# KiCad board mainboard.stretch_bkup.kicad_pcb (continued)
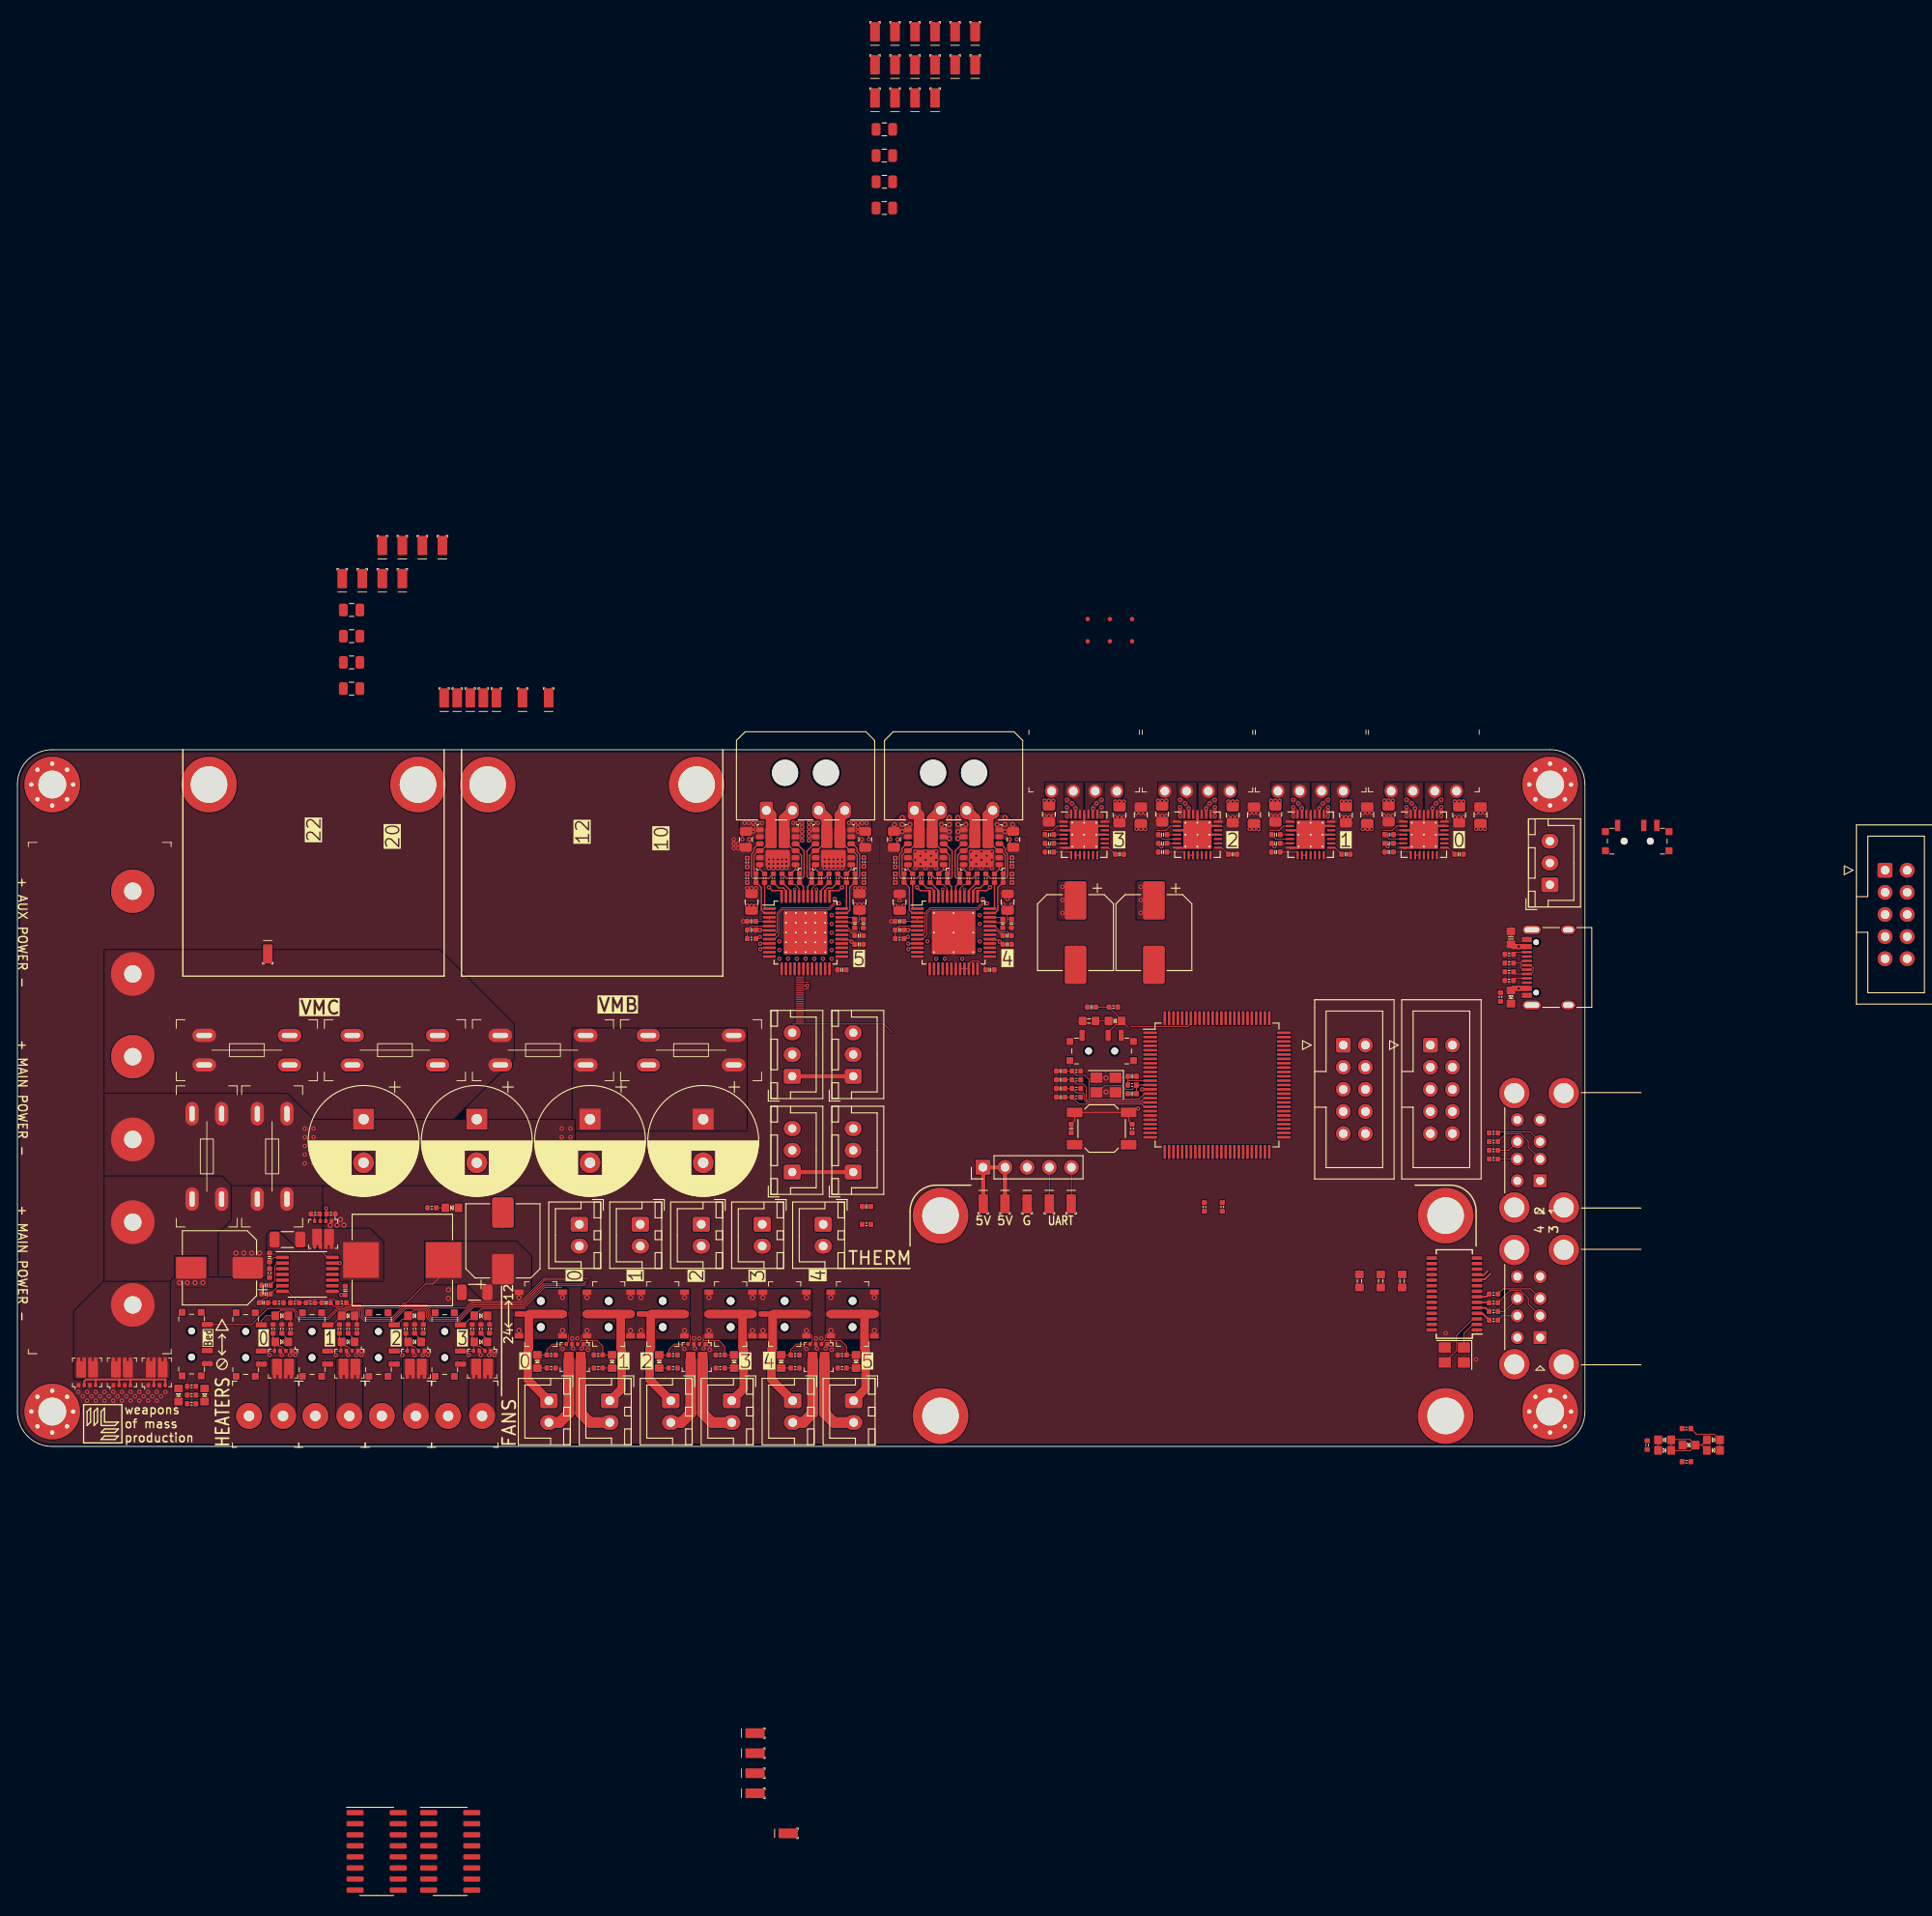
[diagram p0: board, top side]
## Routing (per net, layer and track width the routed paths; a pad name or vN(x,y) marks a point on that pad's centre or on a via; arc(x,y) is an arc through that point) (continued)
/HE3_Gate: length 13.4
  Top w0.1: SW1.1 51.25,13.95 51.9,14.6 52.07,14.6 D11.2 53.32,15.85 58.15,15.85 60.55,18.25 62.5,18.25
/M0_~{EN}: length 2.6
  Top w0.1: 156.75,70.75 157.89,70.75 158.39,71.25 U2.2
/M1_~{EN}: length 2.6
  Top w0.1: U3.2 145.39,71.25 144.89,70.75 143.75,70.75
/M2_~{EN}: length 2.6
  Top w0.1: U4.2 132.39,71.25 131.89,70.75 130.75,70.75
/M3_~{EN}: length 2.6
  Top w0.1: 117.75,70.75 118.89,70.75 119.39,71.25 U5.2
/Motor 0 (TMC2208)/BRA:
  vias: v1(162.5,73.25) v1(162.9,73.86) v1(163.5,74.25) v1(165.05,74.05) v1(165.55,74.05) v1(166.05,74.05)
/Motor 0 (TMC2208)/BRB:
  vias: v1(156.95,74.15) v1(157.45,74.15) v1(157.95,74.15) v1(159.5,74.25) v1(160.1,73.86) v1(160.5,73.25)
/Motor 1 (TMC2208)/BRA:
  vias: v1(149.5,73.25) v1(149.9,73.85) v1(150.5,74.25) v1(152.05,74.05) v1(152.55,74.05) v1(153.05,74.05)
/Motor 1 (TMC2208)/BRB:
  vias: v1(143.95,74.14) v1(144.45,74.14) v1(144.95,74.14) v1(146.5,74.25) v1(147.1,73.85) v1(147.5,73.25)
/Motor 2 (TMC2208)/BRA:
  vias: v1(136.5,73.25) v1(136.9,73.85) v1(137.5,74.25) v1(139.05,74.05) v1(139.55,74.05) v1(140.05,74.05)
/Motor 2 (TMC2208)/BRB:
  vias: v1(130.95,74.14) v1(131.45,74.14) v1(131.95,74.14) v1(133.5,74.25) v1(134.1,73.85) v1(134.5,73.25)
/Motor 3 (TMC2208)/BRA:
  vias: v1(123.5,73.25) v1(123.9,73.85) v1(124.5,74.25) v1(126.05,74.05) v1(126.55,74.05) v1(127.05,74.05)
/Motor 3 (TMC2208)/BRB:
  vias: v1(117.95,74.14) v1(118.45,74.14) v1(118.95,74.14) v1(120.5,74.25) v1(121.1,73.85) v1(121.5,73.25)
/Motor 4 (TMCx160)/CA1: length 1.8
  Top w0.15: C40.1 107.75,64.3 U6.42
/Motor 4 (TMCx160)/CA2: length 4.5
  Top w0.15: U6.35 112.25,61.25 112.57,61.57 112.57,64.17 113.15,64.75 C42.2
/Motor 4 (TMCx160)/CB1: length 4.5
  Top w0.15: U6.2 102.75,61.25 102.43,61.57 102.43,64.15 101.82,64.75 C41.1
/Motor 4 (TMCx160)/CB2: length 1.8
  Top w0.15: U6.43 107.25,64.3 C43.2
/Motor 4 (TMCx160)/HA1: length 1.8
  Top w0.1: U6.41 108.25,64.07 108.7,64.53 108.97,64.53
/Motor 4 (TMCx160)/HA2: length 3
  Top w0.15: R20.1 112.2,61.75
/Motor 4 (TMCx160)/HB1: length 3
  Top w0.15: R32.1 102.8,61.75
/Motor 4 (TMCx160)/HB2: length 2.1
  Top w0.1: R27.1 106.03,64.53 106.3,64.53 106.75,64.07 U6.44
/Motor 4 (TMCx160)/LA1: length 2
  Top w0.15: U6.39 109.25,63.82 110.18,64.75 R26.1
/Motor 4 (TMCx160)/LA2: length 2.5
  Top w0.15: R21.1 110.57,64.12 110.05,64.12 109.75,63.82 U6.38
/Motor 4 (TMCx160)/LB1: length 2.5
  Top w0.15: R33.1 104.43,64.12 104.95,64.12 105.25,63.82 U6.47
/Motor 4 (TMCx160)/LB2: length 2
  Top w0.15: R28.1 104.82,64.75 105.75,63.82 U6.46
/Motor 4 (TMCx160)/Motor_A1: length 12
  Top w0.1: U6.40 v3(108.75,63.97)
  Top w0.15: QA1.P3 109.95,69.55 108.8,68.4 QA1.10 108.5,68.4 107.97,67.88 107.97,66.33 v1(108.15,66.15) 108.15,65.8 C40.2
  Top w1.25: M5.3 109.95,72.08 QA1.P3
  In1.Cu w0.15: v3(108.75,63.97) 108.15,64.57 v1(108.15,66.15)
/Motor 4 (TMCx160)/Motor_A2: length 13.5
  Top w0.15: U6.37 110.25,63.83 111.32,63.83 v1(111.7,64.2) ; C42.1 113.2,66.1 v1(113.25,66.15) 113.43,66.33 113.43,67.88 112.9,68.4 QA1.3 112.6,68.4 111.45,69.55 QA1.P2
  Top w1.25: QA1.P2 111.45,72.48 M5.4
  In1.Cu w0.15: v1(113.25,66.15) 113.25,65.75 v1(111.7,64.2)
/Motor 4 (TMCx160)/Motor_B1: length 13.5
  Top w0.15: C41.2 101.8,66.1 v1(101.75,66.15) 101.57,66.33 101.57,67.88 102.1,68.4 QB1.10 102.4,68.4 103.55,69.55 QB1.P3 ; U6.48 104.75,63.83 103.68,63.83 v1(103.3,64.2)
  Top w1.25: M5.1 103.55,72.48 QB1.P3
  In1.Cu w0.15: v1(101.75,66.15) 101.75,65.75 v1(103.3,64.2)
/Motor 4 (TMCx160)/Motor_B2: length 12
  Top w0.1: v3(106.25,63.97) U6.45
  Top w0.15: QB1.P2 105.05,69.55 106.2,68.4 QB1.3 106.5,68.4 107.03,67.88 107.03,66.33 v1(106.85,66.16) 106.85,65.8 C43.1
  Top w1.25: M5.2 105.05,72.08 QB1.P2
  In1.Cu w0.15: v1(106.85,66.16) 106.85,64.57 v3(106.25,63.97)
/Motor 4 (TMCx160)/SRAH: length 15.3
  Top w0.1: v1(111.35,62.35) 110.98,62.35 110.28,61.65 104.9,61.65 104.43,61.17 104.43,58.75 103.93,58.25 U6.8
  In1.Cu w0.1: v1(111.35,62.35) 111.35,62.85 113.25,64.75 v1(114.2,64.75)
/Motor 4 (TMCx160)/SRAL: length 16
  Top w0.1: U6.7 103.92,58.75 104.22,59.05 104.22,61.26 104.82,61.85 110.2,61.85 110.85,62.5 v1(110.85,62.85)
  In1.Cu w0.1: v1(114.2,66.6) 113.75,66.15 113.75,65.55 111.05,62.85 v1(110.85,62.85)
/Motor 4 (TMCx160)/SRBH: length 9.7
  Top w0.1: v1(102.3,57.72) 102.33,57.75 U6.9 103.44,57.85
  In1.Cu w0.1: v1(100.8,64.75) 101.75,64.75 102.68,63.83 102.68,58.1 v1(102.3,57.72)
/Motor 4 (TMCx160)/SRBL: length 11.8
  Top w0.1: v1(102.3,57.1) 102.45,57.25 U6.10 103.44,57.15
  In1.Cu w0.1: v1(102.3,57.1) 102.88,57.67 102.88,64.03 101.22,65.67 101.22,66.12 v1(100.8,66.55)
/Motor 5 (TMCx160)/CA1: length 1.8
  Top w0.15: C52.1 90.75,64.3 U7.42
/Motor 5 (TMCx160)/CA2: length 4.5
  Top w0.15: C54.2 96.15,64.75 95.57,64.17 95.57,61.57 95.25,61.25 U7.35
/Motor 5 (TMCx160)/CB1: length 4.5
  Top w0.15: U7.2 85.75,61.25 85.43,61.57 85.43,64.15 84.82,64.75 C53.1
/Motor 5 (TMCx160)/CB2: length 1.8
  Top w0.15: U7.43 90.25,64.3 C55.2
/Motor 5 (TMCx160)/HA1: length 1.8
  Top w0.1: 91.97,64.53 91.7,64.53 91.25,64.07 U7.41
/Motor 5 (TMCx160)/HA2: length 3
  Top w0.15: R35.1 95.2,61.75
/Motor 5 (TMCx160)/HB1: length 3
  Top w0.15: R47.1 85.8,61.75
/Motor 5 (TMCx160)/HB2: length 2.1
  Top w0.1: U7.44 89.75,64.07 89.3,64.53 89.03,64.53 R42.1
/Motor 5 (TMCx160)/LA1: length 2
  Top w0.15: U7.39 92.25,63.82 93.18,64.75 R41.1
/Motor 5 (TMCx160)/LA2: length 2.5
  Top w0.15: R36.1 93.57,64.12 93.05,64.12 92.75,63.82 U7.38
/Motor 5 (TMCx160)/LB1: length 2.5
  Top w0.15: R48.1 87.43,64.12 87.95,64.12 88.25,63.82 U7.47
/Motor 5 (TMCx160)/LB2: length 2
  Top w0.15: R43.1 87.82,64.75 88.75,63.82 U7.46
/Motor 5 (TMCx160)/Motor_A1: length 12
  Top w0.1: U7.40 v3(91.75,63.97)
  Top w0.15: C52.2 91.15,65.8 v1(91.15,66.15) 90.97,66.33 90.97,67.88 91.5,68.4 QA2.10 91.8,68.4 92.95,69.55 QA2.P3
  Top w1.25: QA2.P3 92.95,72.08 M6.3
  In1.Cu w0.15: v1(91.15,66.15) 91.15,64.57 v3(91.75,63.97)
/Motor 5 (TMCx160)/Motor_A2: length 13.5
  Top w0.15: U7.37 93.25,63.83 94.32,63.83 v1(94.7,64.2) ; C54.1 96.2,66.1 v1(96.25,66.15) 96.43,66.33 96.43,67.88 95.9,68.4 QA2.3 95.6,68.4 94.45,69.55 QA2.P2
  Top w1.25: QA2.P2 94.45,72.48 M6.4
  In1.Cu w0.15: v1(96.25,66.15) 96.25,65.75 v1(94.7,64.2)
/Motor 5 (TMCx160)/Motor_B1: length 13.5
  Top w0.15: U7.48 87.75,63.83 86.68,63.83 v1(86.3,64.2) ; C53.2 84.8,66.1 v1(84.75,66.15) 84.57,66.33 84.57,67.88 85.1,68.4 QB2.10 85.4,68.4 86.55,69.55 QB2.P3
  Top w1.25: QB2.P3 86.55,72.48 M6.1
  In1.Cu w0.15: v1(84.75,66.15) 84.75,65.75 v1(86.3,64.2)
/Motor 5 (TMCx160)/Motor_B2: length 12
  Top w0.1: v3(89.25,63.97) U7.45
  Top w0.15: QB2.P2 88.05,69.55 89.2,68.4 QB2.3 89.5,68.4 90.03,67.88 90.03,66.33 v1(89.85,66.16) 89.85,65.8 C55.1
  Top w1.25: M6.2 88.05,72.08 QB2.P2
  In1.Cu w0.15: v1(89.85,66.16) 89.85,64.57 v3(89.25,63.97)
/Motor 5 (TMCx160)/SRAH: length 15.3
  Top w0.1: v1(94.35,62.35) 93.98,62.35 93.28,61.65 87.9,61.65 87.43,61.17 87.43,58.75 86.93,58.25 U7.8
  In1.Cu w0.1: v1(97.2,64.75) 96.25,64.75 94.35,62.85 v1(94.35,62.35)
/Motor 5 (TMCx160)/SRAL: length 16
  Top w0.1: U7.7 86.92,58.75 87.22,59.05 87.22,61.26 87.82,61.85 93.2,61.85 93.85,62.5 v1(93.85,62.85)
  In1.Cu w0.1: v1(93.85,62.85) 94.05,62.85 96.75,65.55 96.75,66.15 v1(97.2,66.6)
/Motor 5 (TMCx160)/SRBH: length 9.7
  Top w0.1: v1(85.3,57.72) 85.33,57.75 U7.9 86.44,57.85
  In1.Cu w0.1: v1(83.8,64.75) 84.75,64.75 85.68,63.83 85.68,58.1 v1(85.3,57.72)
/Motor 5 (TMCx160)/SRBL: length 11.8
  Top w0.1: 86.44,57.15 U7.10 85.45,57.25 v1(85.3,57.1)
  In1.Cu w0.1: v1(85.3,57.1) 85.88,57.67 85.88,64.03 84.22,65.67 84.22,66.12 v1(83.8,66.55)
/Pi Zero + USB Hub/D1+: length 1.5
  Top w0.2: 168.84,20.16 168.31,19.63 168.09,19.63 168,19.72 U10.11
/Pi Zero + USB Hub/D1-: length 1.9
  Top w0.2: U10.10 168,19.09 168.09,19.18 168.5,19.18 169.16,19.84
/Pi Zero + USB Hub/D3+: length 1.5
  Top w0.2: R82.2 168.68,17.18 U10.7
/Pi Zero + USB Hub/D3-: length 1.4
  Top w0.2: R83.2 168.95,16.55 U10.6
/Pi Zero + USB Hub/D4+: length 1.6
  Top w0.2: U10.5 168.59,15.91 R84.2
/Pi Zero + USB Hub/D4-: length 1.7
  Top w0.2: R85.2 168.22,15.28 U10.4
/Th_{0}: length 12.6
  Top w0.1: 122.95,42.23 122.58,42.6 121.6,42.6 R101.1 C67.2 ; 123.05,42.23 123.05,39.9 128.82,39.9 129.43,40.5 U1.15
/Th_{1}: length 11.7
  Top w0.1: U1.16 129.43,40 129.12,39.7 122.87,39.7 122.75,39.82 122.75,41.23 122.38,41.6 121.6,41.6 R102.1 C75.2
/Th_{2}: length 10.8
  Top w0.1: U1.17 122.78,39.5 122.55,39.73 122.55,40.4 122.35,40.6 121.6,40.6 R103.1 C76.2
/Th_{3}: length 10.2
  Top w0.1: U1.18 129.43,39 129.12,39.3 121.9,39.3 R104.1 C79.2
/USART_{1}_RX: length 4.8
  Top w0.1: J2.4 118.49,27.31 T19.1
/USART_{1}_TX: length 4.8
  Top w0.1: J2.5 121.03,27.33 T20.1
/~{Reset}: length 13.5
  Top w0.1: U1.14 v1(129.15,41) ; R2.1 127.6,37.4 SW2.2 SW2.2 121.4,37.4 C4.2 ; 127.6,38.55 127.85,38.8 v1(128.7,38.8)
  In1.Cu w0.1: 128.8,39.05 128.8,40.65 v1(129.15,41)
VMB: length 8.8
  Top w0.1: 113.65,60.55 113.65,61.55 ; 113.65,60.55 C39.1 ; 113.65,60.55 113.65,60.32 113.45,60.12 113.15,60.12 ; C51.1 96.65,60.55 ; 96.65,60.55 96.65,61.55 ; 96.65,60.55 96.65,60.32 96.45,60.12 96.15,60.12 ; 113.15,60.12 112.85,60.12 112.82,60.15 111.76,60.15 U6.33 ; 113.15,60.12 C34.2 ; 96.15,60.12 95.85,60.12 95.82,60.15 94.76,60.15 U7.33 ; 96.15,60.12 C46.2
  vias: v1(83.8,62.1) v1(84.3,62.1) v1(84.8,62.1) v1(86.3,67.4) v1(86.3,66.9) v1(86.3,66.4) v1(86.8,67.4) v1(86.8,66.9) v1(86.8,66.4) v1(87.3,67.4) v1(87.3,66.9) v1(87.3,66.4) v1(87.5,58) v1(87.5,57) v1(87.5,56) v1(87.8,67.4) v1(87.8,66.9) v1(87.8,66.4) v1(88.3,67.4) v1(88.3,66.9) v1(88.3,66.4) v1(88.5,56) v1(89.5,56) v1(90.5,56) v1(91.5,56) v1(92.5,56) v1(92.7,67.4) v1(92.7,66.9) v1(92.7,66.4) v1(93.2,67.4) v1(93.2,66.9) v1(93.2,66.4) v1(93.5,61) v1(93.5,60) v1(93.5,59) v1(93.5,58) v1(93.5,57) v1(93.5,56) v1(93.7,67.4) v1(93.7,66.9) v1(93.7,66.4) v1(94.2,67.4) v1(94.2,66.9) v1(94.2,66.4) v1(94.7,67.4) v1(94.7,66.9) v1(94.7,66.4) v1(96.2,62.25) v1(96.7,62.25) v1(97.2,62.25) v1(100.8,62.1) v1(101.8,62.1) v1(103.1,68.3) v1(103.1,67.35) v1(103.1,66.4) v1(103.7,67.83) v1(103.7,66.88) v1(104.3,68.3) v1(104.3,67.35) v1(104.3,66.4) v1(104.5,58) v1(104.9,67.83) v1(104.9,66.88) v1(105.5,68.3) v1(105.5,67.35) v1(105.5,66.4) v1(105.5,56) v1(106.5,56) v1(108.5,56) v1(109.5,68.3) v1(109.5,67.35) v1(109.5,66.4) v1(110.1,67.83) v1(110.1,66.88) v1(110.5,61) v1(110.5,60) v1(110.5,58) v1(110.5,57) v1(110.7,68.3) v1(110.7,67.35) v1(110.7,66.4) v1(111.3,67.83) v1(111.3,66.88) v1(111.9,68.3) v1(111.9,67.35) v1(111.9,66.4) v1(113.2,62.25) v1(114.2,62.25)
Net-(C71-Pad1): length 0.8
  Top w0.1: C71.1 R97.2
Net-(C73-Pad2): length 0.8
  Top w0.1: R98.1 C73.2
Net-(D2-K): length 1.1
  Top w0.1: R49.1 D2.1
Net-(D3-K): length 1.1
  Top w0.1: R53.1 D3.1
Net-(D4-K): length 1.1
  Top w0.1: R55.1 D4.1
Net-(D5-K): length 1.1
  Top w0.1: R57.1 D5.1
Net-(D6-K): length 1.1
  Top w0.1: R59.1 D6.1
Net-(D7-K): length 1.1
  Top w0.1: R61.1 D7.1
Net-(D8-A): length 5.4
  Top w0.1: SW10.2 37.12,10.95 37.14,10.97 37.14,11.91 D8.2 ; 38.44,10.97 37.92,11.5 37.68,11.5 37.23,11.95 D8.2 ; R52.1 36.98,12.25 D8.2
Net-(D8-K): length 1.3
  Top w0.1: D8.1 38.73,12.25 R50.1
Net-(D9-A): length 5.4
  Top w0.1: D9.2 29.61,11.95 30.06,11.5 30.3,11.5 Q4.2 ; D9.2 29.36,12.25 R64.1 ; D9.2 29.53,11.91 Q4.4 29.5,10.95 SW11.2
Net-(D9-K): length 1.3
  Top w0.1: R63.1 31.11,12.25 D9.1
Net-(D10-A): length 5.4
  Top w0.1: D10.2 44.61,12.25 R66.1 ; D10.2 44.78,11.91 Q6.4 44.75,10.95 SW12.2 ; D10.2 44.86,11.95 45.31,11.5 45.55,11.5 Q6.2
Net-(D10-K): length 1.3
  Top w0.1: D10.1 46.36,12.25 R65.1
Net-(D11-K): length 1.1
  Top w0.1: D11.1 54.22,14.75 R67.1
Net-(D13-K): length 1.1
  Top w0.1: R70.1 38.98,14.75 D13.1
Net-(D14-K): length 1.1
  Top w0.1: R71.1 31.36,14.75 D14.1
Net-(D15-K): length 1.1
  Top w0.1: D15.1 46.61,14.75 R72.1
Net-(D16-A): length 5.4
  Top w0.1: Q7.2 53.16,11.5 52.92,11.5 52.47,11.95 D16.2 ; D16.2 52.22,12.25 R73.1 ; D16.2 52.39,11.91 Q7.4 52.36,10.95 SW1.2
Net-(D16-K): length 1.3
  Top w0.1: R68.1 53.97,12.25 D16.1
Net-(D17-A): length 9.8
  Top w0.1: D22.2 192.05,-0.5 189.95,-0.5 D21.1 D20.2 189.95,0.8 192.05,0.8 D22.2 ; D22.2 193.4,0.15 ; 193.4,0.15 D17.2 ; 193.4,0.15 D19.1
Net-(D17-K): length 5.1
  Top w0.1: R9.1 192.8,1.4 194.85,1.4 D17.1 D19.2
Net-(D20-K): length 1.2
  Top w0.1: D20.1 D21.2
Net-(D22-K): length 0.6
  Top w0.1: D22.1 v1(191.75,0.15)
Net-(D23-K): length 1.5
  Top w0.1: D23.1 R90.2
Net-(D24-K): length 1.1
  Top w0.1: R96.2 D24.1
Net-(J1-CC1): length 1.6
  Top w0.1: J1.A5 172.05,53.75 R7.2
Net-(J1-CC2): length 1.6
  Top w0.1: R8.2 172.05,56.75 J1.B5
Net-(J1-D+-PadA6): length 3
  Top w0.1: R5.2 171.81,55.5 172.6,55.5 ; J1.A6 172.85,54.75 172.6,55 172.6,55.5 ; J1.B6 172.85,55.75 172.6,55.5
Net-(J1-D--PadA7): length 3.8
  Top w0.1: R4.2 172.05,54.25 J1.B7 173.8,54.25 174.06,54.5 174.06,55 173.8,55.25 J1.A7
Net-(J7-Pin_1): length 15.9
  Top w0.6: SW5.2 72.8,15.2
  Top w1: 72.72,15.08 72.72,11.26 72.6,11.14 72.6,7.68 J7.1 ; 72.8,15.2 SW5.2
Net-(J7-Pin_2): length 8.8
  Top w1.25: Q2.5 77.31,3.81 76.25,2.75 J7.2
Net-(J8-Pin_1): length 15.9
  Top w0.6: SW3.2 58.8,15.2
  Top w1: 58.8,15.2 SW3.2 ; 58.72,15.08 58.72,11.26 58.6,11.14 58.6,7.68 J8.1
Net-(J8-Pin_2): length 8.8
  Top w1.25: Q1.5 63.31,3.81 62.25,2.75 J8.2
Net-(J9-Pin_4):
  vias: v1(33,36.5) v1(33,35.5) v1(33,34.5) v1(33,33.5) v1(33,32.5) v1(34,36.5) v1(34,35.5) v1(34,34.5) v1(34,33.5) v1(34,32.5) v1(62.5,36.5) v1(62.5,35.5) v1(62.5,34.5) v1(62.5,33.5) v1(62.5,32.5) v1(62.5,31.5) v1(62.5,30.5) v1(63.5,36.5) v1(63.5,35.5) v1(63.5,34.5) v1(63.5,33.5) v1(63.5,32.5) v1(63.5,31.5) v1(63.5,30.5)
Net-(J12-Pin_1): length 15.9
  Top w0.6: SW7.2 86.8,15.2
  Top w1: 86.72,15.08 86.72,11.26 86.6,11.14 86.6,7.68 J12.1 ; 86.8,15.2 SW7.2
Net-(J12-Pin_2): length 8.8
  Top w1.25: J12.2 90.25,2.75 91.31,3.81 Q3.5
Net-(J13-D1+): length 5.4
  Top w0.1: J13.3 173.76,36.1 170.1,36.1 R78.1
Net-(J13-D1-): length 6.8
  Top w0.1: R79.1 170.9,35.9 172.61,35.9 173.5,35.01 173.5,34.36 J13.2
Net-(J13-D2+): length 2.7
  Top w0.1: J13.7 171.24,34 R80.1
Net-(J13-D2-): length 2.2
  Top w0.1: R81.1 J13.6
Net-(J14-Pin_1): length 15.5
  Top w1: SW6.2 SW6.2 ; 83.3,15.1 83.27,15.08 83.27,11.26 83.4,11.14 83.4,6.62 J14.1
Net-(J14-Pin_2): length 9.9
  Top w1.25: Q2.8 78.68,3.81 79.75,2.75 J14.2
Net-(J15-Pin_1): length 15.5
  Top w1: 69.3,15.1 69.27,15.08 69.27,11.26 69.4,11.14 69.4,6.62 J15.1 ; SW4.2 SW4.2
Net-(J15-Pin_2): length 9.9
  Top w1.25: J15.2 65.75,2.75 64.68,3.81 Q1.8
Net-(J16-Pin_1): length 15.5
  Top w1: SW8.2 SW8.2 ; J16.1 97.4,6.62 97.4,11.14 97.27,11.26 97.27,15.08 97.3,15.1
Net-(J16-Pin_2): length 9.9
  Top w1.25: J16.2 93.75,2.75 92.68,3.81 Q3.8
Net-(J21-D1+): length 5.6
  Top w0.1: R82.1 170.6,18.1 173.76,18.1 J21.3
Net-(J21-D1-): length 7
  Top w0.1: J21.2 173.5,16.36 173.5,17.01 172.61,17.9 171.4,17.9 R83.1
Net-(J21-D2+): length 2.9
  Top w0.1: R84.1 170.74,15.5 J21.7
Net-(J21-D2-): length 2.4
  Top w0.1: R85.1 170.5,15 J21.6
Net-(Q11A-G): length 1.5
  Top w0.1: Q11.2 35.42,26.62 R92.1 35.5,27.3 v1(35.45,27.35)
Net-(Q11B-G): length 1
  Top w0.1: Q11.4 34.12,26.28 R91.1
Net-(Q11B-S): length 5.6
  Top w0.1: 34.78,25.88 34.78,26.62 ; 37.8,19.75 L1.1 37.65,19.6
Net-(QA1-G1): length 1.3
  Top w0.15: R20.2 112.75,66.3 QA1.1
Net-(QA1-G2): length 7
  Top w0.15: QA1.4 112.9,69.2 113.43,68.68 113.43,68.3 113.7,68.03 113.7,65.42 113.53,65.25 111.7,65.25 R21.2
Net-(QA1-G3): length 7.1
  Top w0.15: QA1.9 108.5,69.2 107.68,68.38 107.68,65.44 107.87,65.25 109.7,65.25 R26.2
Net-(QA1-G4): length 1.3
  Top w0.15: R25.2 108.65,66.3 QA1.12
Net-(QA1-S2-Pad5): length 1.3
  Top w0.15: 114.75,70.24 114.38,70.61
  In1.Cu w0.15: v1(114.2,65.75) 114.75,66.3
  vias: v1(114.75,69.7) v2(108,72.2) v2(108,71.4) v2(108,70.6) v2(108,69.8) v2(108.9,71.4) v2(112.5,71.4) v2(113.4,72.2) v2(113.4,71.4) v2(113.4,70.6) v2(114.3,71.4)
Net-(QA2-G1): length 1.3
  Top w0.15: R35.2 95.75,66.3 QA2.1
Net-(QA2-G2): length 7
  Top w0.15: QA2.4 95.9,69.2 96.43,68.68 96.43,68.3 96.7,68.03 96.7,65.42 96.53,65.25 94.7,65.25 R36.2
Net-(QA2-G3): length 7.1
  Top w0.15: R41.2 92.7,65.25 90.87,65.25 90.68,65.44 90.68,68.38 91.5,69.2 QA2.9
Net-(QA2-G4): length 1.3
  Top w0.15: R40.2 91.65,66.3 QA2.12
Net-(QA2-S2-Pad5): length 5.2
  Top w0.15: 97.38,70.61 97.75,70.24 v1(97.75,69.7)
  In1.Cu w0.15: v1(97.75,69.7) 97.75,66.3 v1(97.2,65.75)
  vias: v1(90.9,71.6) v1(90.9,71.1) v1(90.9,70.6) v1(90.9,70.1) v1(90.9,69.6) v1(91.4,71.6) v1(91.9,71.6) v1(95.5,71.6) v1(96,71.6) v1(96.5,71.6) v1(96.5,71.1) v1(96.5,70.6) v1(97,71.6) v1(97.5,71.6)
Net-(QB1-G1): length 1.3
  Top w0.15: R27.2 106.35,66.3 QB1.1
Net-(QB1-G2): length 7.1
  Top w0.15: QB1.4 106.5,69.2 107.32,68.38 107.32,65.44 107.13,65.25 105.3,65.25 R28.2
Net-(QB1-G3): length 7
  Top w0.15: QB1.9 102.1,69.2 101.57,68.68 101.57,68.3 101.3,68.03 101.3,65.42 101.47,65.25 103.3,65.25 R33.2
Net-(QB1-G4): length 1.3
  Top w0.15: QB1.12 102.25,66.3 R32.2
Net-(QB1-S2-Pad5): length 5.3
  Top w0.15: R31.1 100.25,70.21 v1(100.25,69.7)
  In1.Cu w0.15: v1(100.25,69.7) 100.25,66.3 v3(100.8,65.75)
  vias: v2(100.7,71.4) v2(101.6,72.2) v2(101.6,71.4) v2(101.6,70.6) v2(102.5,71.4) v2(106.1,71.4) v2(107,72.2) v2(107,71.4) v2(107,70.6) v2(107,69.8)
Net-(QB2-G1): length 1.3
  Top w0.15: QB2.1 89.35,66.3 R42.2
Net-(QB2-G2): length 7.1
  Top w0.15: QB2.4 89.5,69.2 90.32,68.38 90.32,65.44 90.13,65.25 88.3,65.25 R43.2
Net-(QB2-G3): length 7
  Top w0.15: QB2.9 85.1,69.2 84.57,68.68 84.57,68.3 84.3,68.03 84.3,65.42 84.47,65.25 86.3,65.25 R48.2
Net-(QB2-G4): length 1.3
  Top w0.15: R47.2 85.25,66.3 QB2.12
Net-(QB2-S2-Pad5): length 5.3
  Top w0.15: R46.1 83.25,70.21 v1(83.25,69.7)
  In1.Cu w0.15: v1(83.25,69.7) 83.25,66.3 v3(83.8,65.75)
  vias: v1(83.5,71.6) v1(84,71.6) v1(84.5,71.6) v1(84.5,71.1) v1(84.5,70.6) v1(85,71.6) v1(85.5,71.6) v1(89.1,71.6) v1(89.6,71.6) v1(90.1,71.6) v1(90.1,71.1) v1(90.1,70.6) v1(90.1,70.1) v1(90.1,69.6)
Net-(U1-PH0): length 5
  Top w0.1: 127.5,42 C2.2 127.35,42.35 Y1.1 ; 127.5,42 U1.12 ; 127.5,42 R3.1
Net-(U1-PH1): length 7.9
  Top w0.1: R3.2 128,41 127.25,41 127,41.25 127,41.3 126.9,41.4 124.8,41.4 124.05,40.65 Y1.3 ; R3.2 C3.2 ; R3.2 U1.13
Net-(U2-5VOut): length 2
  Top w0.1: C11.2 160,68.25
Net-(U2-CPI): length 2.4
  Top w0.1: U2.5 157.5,69.75 C13.2 156.95,70.25
Net-(U2-CPO): length 1.2
  Top w0.1: U2.4 157.95,70.25
Net-(U2-VCP): length 1.1
  Top w0.1: C12.1 U2.6
Net-(U3-5VOut): length 2
  Top w0.1: C17.2 147,68.25
Net-(U3-CPI): length 2.4
  Top w0.1: U3.5 144.5,69.75 C19.2 143.95,70.25
Net-(U3-CPO): length 1.2
  Top w0.1: U3.4 144.95,70.25
Net-(U3-VCP): length 1.1
  Top w0.1: C18.1 U3.6
Net-(U4-5VOut): length 2
  Top w0.1: C23.2 134,68.25
Net-(U4-CPI): length 2.4
  Top w0.1: 130.95,70.25 C25.2 131.5,69.75 U4.5
Net-(U4-CPO): length 1.2
  Top w0.1: U4.4 131.95,70.25
Net-(U4-VCP): length 1.1
  Top w0.1: C24.1 U4.6
Net-(U5-5VOut): length 2
  Top w0.1: C29.2 121,68.25
Net-(U5-CPI): length 2.4
  Top w0.1: U5.5 118.5,69.75 C31.2 117.95,70.25
Net-(U5-CPO): length 1.2
  Top w0.1: U5.4 118.95,70.25
Net-(U5-VCP): length 1.1
  Top w0.1: C30.1 U5.6
Net-(U6-5VOUT): length 3.7
  Top w0.1: R19.1 C37.2 101.25,59.75 U6.5
Net-(U6-CPI): length 2.9
  Top w0.1: U6.32 112.22,59.75 112.87,59.1 113.7,59.1 C35.1
Net-(U6-CPO): length 1.6
  Top w0.1: U6.31 112.44,59.25 112.79,58.9 113.15,58.9
Net-(U6-VCC): length 13
  Top w0.1: C38.2 112.85,57.95 v1(112.8,57.95) 112.6,58.15 111.76,58.15 U6.29 ; R19.2 102,58.5 v1(102.25,58.5)
  In2.Cu w0.1: v1(112.8,57.95) 112.3,58.45 102.3,58.45 v1(102.25,58.5)
Net-(U6-VCP): length 1.6
  Top w0.1: C34.1 112.95,60.75 U6.34
Net-(U7-5VOUT): length 3.7
  Top w0.1: R34.1 C49.2 84.25,59.75 U7.5
Net-(U7-CPI): length 2.9
  Top w0.1: C47.1 96.7,59.1 95.87,59.1 95.22,59.75 U7.32
Net-(U7-CPO): length 1.6
  Top w0.1: 96.15,58.9 95.79,58.9 95.44,59.25 U7.31
Net-(U7-VCC): length 13
  Top w0.1: C50.2 95.85,57.95 v1(95.8,57.95) 95.6,58.15 94.76,58.15 U7.29 ; v1(85.25,58.5) 85,58.5 R34.2
  In2.Cu w0.1: v1(85.25,58.5) 85.3,58.45 95.3,58.45 v1(95.8,57.95)
Net-(U7-VCP): length 1.6
  Top w0.1: U7.34 95.95,60.75 C46.1
Net-(U10-XIn): length 6.8
  Top w0.1: U10.3 167.14,14.64 165.25,12.75 165.25,11 Y2.3
Net-(U10-XOut): length 3.6
  Top w0.1: U10.2 167.13,14.01 166.1,12.97 Y2.1
Net-(U11-BSt): length 5
  Top w0.1: U11.13 v1(37,21.05) ; C66.2 v1(37.2,17.4)
  In1.Cu w0.1: v1(37.2,17.4) 37.2,20.85 v1(37,21.05)
Net-(U11-Comp): length 3.5
  Top w0.1: U11.6 30,18.45 29.05,17.5 C70.2 28.55,17 28.28,17 27.78,16.5 C71.2
Net-(U11-En): length 3.4
  Top w0.1: C68.2 29.05,18.53 29.55,19.03 29.55,20.7 29.9,21.05 U11.2
Net-(U11-FB): length 7.2
  Top w0.1: R93.2 36.3,16.95 33.6,16.95 R98.2 R94.1 31.05,17.8 U11.7
Net-(U11-VRef): length 2.5
  Top w0.1: R95.2 C69.2 29.45,21.7 U11.1

## Copper pours and planes (outline as drawn; the poured copper is in the pictures)
+12V on Top: 78.8,18.1 78.8,15.2 85,15.2 85,18.1
+12V on Top: 71,18.1 71,15.2 77.2,15.2 77.2,18.1
+12V on Top: 92.8,18.1 92.8,15.2 99,15.2 99,18.1
+12V on Top: 57,18.1 57,15.2 63.2,15.2 63.2,18.1
+12V on Top: 64.8,18.1 64.8,15.2 71,15.2 71,18.1
+12V on Top: 46.8,18.6 51.6,18.6 53.4,16.8 57.75,16.8 59,18.05 59,21.85 57.3,23.55 46.8,23.55
+12V on Top: 85,18.1 85,15.2 91.2,15.2 91.2,18.1
+12V on Bottom: 102,22 102,13.7 55.5,13.7 55.5,22
+24V on Top: 92.8,15.2 92.8,12.3 99,12.3 99,15.2
+24V on Top: 133.6,73.65 134.15,73.1 134.15,72 133.25,72 133.25,73.65
+24V on Top: 23,19.5 23,30 35,30 35,22.85 28.7,22.85 28.7,19.5
+24V on Top: 120.6,73.65 121.15,73.1 121.15,72 120.25,72 120.25,73.65
+24V on Top: 122.75,64.9 122.75,60.5 119.5,60.5 119.5,64.9
+24V on Top: 167.25,72.06 167.25,70.66 168.75,70.66 168.75,72.06
+24V on Top: 150.4,73.65 149.85,73.1 149.85,72 150.75,72 150.75,73.65
+24V on Top: 64.8,15.2 64.8,12.3 71,12.3 71,15.2
+24V on Top: 154.25,72.05 154.25,70.65 155.75,70.65 155.75,72.05
+24V on Top: 159.6,73.66 160.15,73.11 160.15,72 159.25,72 159.25,73.66
+24V on Top: 71,15.2 71,12.3 77.2,12.3 77.2,15.2
+24V on Top: 57,15.2 57,12.3 63.2,12.3 63.2,15.2
+24V on Top: 141.25,72.05 141.25,70.65 142.75,70.65 142.75,72.05
+24V on Top: 128.25,72.05 128.25,70.65 129.75,70.65 129.75,72.05
+24V on Top: 124.4,73.65 123.85,73.1 123.85,72 124.75,72 124.75,73.65
+24V on Top: 85,15.2 85,12.3 91.2,12.3 91.2,15.2
+24V on Top: 131.75,64.9 131.75,60.5 128.5,60.5 128.5,64.9
+24V on Top: 137.4,73.65 136.85,73.1 136.85,72 137.75,72 137.75,73.65
+24V on Top: 163.4,73.66 162.85,73.11 162.85,72 163.75,72 163.75,73.66
+24V on Top: 146.6,73.65 147.15,73.1 147.15,72 146.25,72 146.25,73.65
+24V on Top: 78.8,15.2 78.8,12.3 85,12.3 85,15.2
+24V on Bottom: 17,80.05 180,80.05 180,66.05 133,66.05 115.5,48.55 104,48.55 102,46.54 102,0.05 17,0.05
+48V on Top: 10,57 10,39.5 12,37.5 50,37.5 57,44.5 57,48.5 48.5,57
+48V on Bottom: 10,57.5 10,48 15,43 24.5,43 24.5,50 17,57.5
GND on Top: 166.3,71 166.3,72.5 164.8,72.5 164.8,71
GND on Top: 113.65,69.3 113.65,66.92 116,66.92 116,69.95 114.75,69.95 114.75,69.3
GND on Top: 153.3,71 153.3,72.5 151.8,72.5 151.8,71
GND on Top: 85.05,64.35 85.05,62.95 83.55,62.95 83.55,64.35
GND on Top: 154.25,74 154.25,72.5 155.75,72.5 155.75,74
GND on Top: 145.2,71.14 145.2,72.64 143.7,72.64 143.7,71.14
GND on Top: 29.05,24.75 28.85,24.55 28.85,22.75 30.2,22.75 30.2,24.55 30,24.75
GND on Top: 36.26,10.2 36.26,11.5 39.81,11.5 39.81,10.2
GND on Top: 34.58,24.38 34.58,22.58 36.28,22.58 36.28,24.38
GND on Top: 140.3,71 140.3,72.5 138.8,72.5 138.8,71
GND on Top: 97.45,64.35 97.45,62.95 95.95,62.95 95.95,64.35
GND on Top: 84.35,69.3 84.35,66.92 82,66.92 82,69.95 83.25,69.95 83.25,69.3
GND on Top: 28.95,24.65 28.65,24.35 28.65,22.25 32.5,22.25 30.1,24.65
GND on Top: 158.2,71.15 158.2,72.65 156.7,72.65 156.7,71.15
GND on Top: 91.2,12.1 93.3,12.1 93.3,11.3 91.2,11.3
GND on Top: 119.2,71.14 119.2,72.64 117.7,72.64 117.7,71.14
GND on Top: 167.25,74.01 167.25,72.51 168.75,72.51 168.75,74.01
GND on Top: 18.1,21.85 18.1,18.25 21.8,18.25 21.8,21.85
GND on Top: 101.35,69.3 101.35,66.92 99,66.92 99,69.95 100.25,69.95 100.25,69.3
GND on Top: 132.2,71.14 132.2,72.64 130.7,72.64 130.7,71.14
GND on Top: 141.25,74 141.25,72.5 142.75,72.5 142.75,74
GND on Top: 43.89,10.2 43.89,11.5 47.44,11.5 47.44,10.2
GND on Top: 28.64,10.2 28.64,11.5 32.19,11.5 32.19,10.2
GND on Top: 51.5,10.2 51.5,11.5 55.05,11.5 55.05,10.2
GND on Top: 96.65,69.3 96.65,66.92 99,66.92 99,69.95 97.75,69.95 97.75,69.3
GND on Top: 128.25,74 128.25,72.5 129.75,72.5 129.75,74
GND on Top: 0,0 180,0 180,80 0,80
GND on Top: 6.5,6.5 6.5,7.5 17.5,7.5 17.5,6.5
GND on Top: 77.2,12.1 79.3,12.1 79.3,11.3 77.2,11.3
GND on Top: 127.3,71 127.3,72.5 125.8,72.5 125.8,71
GND on Top: 63.2,12.1 65.3,12.1 65.3,11.3 63.2,11.3
GND on In1.Cu, In2.Cu: 180,80 180,0 0,0 0,80
/Bed_H+ on Top: 17.5,19 18,19.5 23,19.5 23,24.5 24.5,26 24.5,30 23.5,31 10,31 10,19
/Bed_H- on Top: 17.5,7.75 17.5,19 10,19 6.5,15.5 6.5,7.75
/Motor 0 (TMC2208)/A1 on Top: 161.6,72 161.6,76.25 163.75,76.25 163.75,73.5 162.25,73.5 162.25,72
/Motor 0 (TMC2208)/A2 on Top: 163.85,72 163.25,72 163.25,71.5 164.75,71.5 164.75,73.5 166,74.75 166,76.25 163.85,76.25
/Motor 0 (TMC2208)/B1 on Top: 161.4,72 161.4,76.25 159.25,76.25 159.25,73.5 160.75,73.5 160.75,72
/Motor 0 (TMC2208)/B2 on Top: 159.15,72 159.75,72 159.75,71.5 158.25,71.5 158.25,73.5 157,74.75 157,76.25 159.15,76.25
/Motor 0 (TMC2208)/BRA on Top: 163.75,72 163.75,74.5 163.2,74.5 162.25,73.56 162.25,72
/Motor 0 (TMC2208)/BRA on Top: 166.3,72.9 166.3,74.3 164.8,74.3 164.8,72.9
/Motor 0 (TMC2208)/BRA on In1.Cu: 166.3,75.15 162.2,75.15 162.2,73.05 166.3,73.05
/Motor 0 (TMC2208)/BRB on Top: 159.25,72 159.25,74.5 159.8,74.5 160.75,73.56 160.75,72
/Motor 0 (TMC2208)/BRB on Top: 158.2,73 158.2,74.4 156.7,74.4 156.7,73
/Motor 0 (TMC2208)/BRB on In1.Cu: 160.8,75.15 156.7,75.15 156.7,73.05 160.8,73.05
/Motor 1 (TMC2208)/A1 on Top: 148.6,72 148.6,76.25 150.75,76.25 150.75,73.5 149.25,73.5 149.25,72
/Motor 1 (TMC2208)/A2 on Top: 150.85,72 150.25,72 150.25,71.5 151.75,71.5 151.75,73.5 153,74.75 153,76.25 150.85,76.25
/Motor 1 (TMC2208)/B1 on Top: 148.4,72 148.4,76.25 146.25,76.25 146.25,73.5 147.75,73.5 147.75,72
/Motor 1 (TMC2208)/B2 on Top: 146.15,72 146.75,72 146.75,71.5 145.25,71.5 145.25,73.5 144,74.75 144,76.25 146.15,76.25
/Motor 1 (TMC2208)/BRA on Top: 150.75,72 150.75,74.5 150.2,74.5 149.25,73.55 149.25,72
/Motor 1 (TMC2208)/BRA on Top: 153.3,72.89 153.3,74.3 151.8,74.3 151.8,72.89
/Motor 1 (TMC2208)/BRA on In1.Cu: 153.3,75.14 149.2,75.14 149.2,73.05 153.3,73.05
/Motor 1 (TMC2208)/BRB on Top: 145.2,73 145.2,74.39 143.7,74.39 143.7,73
/Motor 1 (TMC2208)/BRB on Top: 146.25,72 146.25,74.5 146.8,74.5 147.75,73.55 147.75,72
/Motor 1 (TMC2208)/BRB on In1.Cu: 147.8,75.14 143.7,75.14 143.7,73.05 147.8,73.05
/Motor 2 (TMC2208)/A1 on Top: 135.6,72 135.6,76.25 137.75,76.25 137.75,73.5 136.25,73.5 136.25,72
/Motor 2 (TMC2208)/A2 on Top: 137.85,72 137.25,72 137.25,71.5 138.75,71.5 138.75,73.5 140,74.75 140,76.25 137.85,76.25
/Motor 2 (TMC2208)/B1 on Top: 135.4,72 135.4,76.25 133.25,76.25 133.25,73.5 134.75,73.5 134.75,72
/Motor 2 (TMC2208)/B2 on Top: 133.15,72 133.75,72 133.75,71.5 132.25,71.5 132.25,73.5 131,74.75 131,76.25 133.15,76.25
/Motor 2 (TMC2208)/BRA on Top: 137.75,72 137.75,74.5 137.2,74.5 136.25,73.55 136.25,72
/Motor 2 (TMC2208)/BRA on Top: 140.3,72.89 140.3,74.3 138.8,74.3 138.8,72.89
/Motor 2 (TMC2208)/BRA on In1.Cu: 140.3,75.14 136.2,75.14 136.2,73.05 140.3,73.05
/Motor 2 (TMC2208)/BRB on Top: 132.2,73 132.2,74.39 130.7,74.39 130.7,73
/Motor 2 (TMC2208)/BRB on Top: 133.25,72 133.25,74.5 133.8,74.5 134.75,73.55 134.75,72
/Motor 2 (TMC2208)/BRB on In1.Cu: 134.8,75.14 130.7,75.14 130.7,73.05 134.8,73.05
/Motor 3 (TMC2208)/A1 on Top: 122.6,72 122.6,76.25 124.75,76.25 124.75,73.5 123.25,73.5 123.25,72
/Motor 3 (TMC2208)/A2 on Top: 124.85,72 124.25,72 124.25,71.5 125.75,71.5 125.75,73.5 127,74.75 127,76.25 124.85,76.25
/Motor 3 (TMC2208)/B1 on Top: 122.4,72 122.4,76.25 120.25,76.25 120.25,73.5 121.75,73.5 121.75,72
/Motor 3 (TMC2208)/B2 on Top: 120.15,72 120.75,72 120.75,71.5 119.25,71.5 119.25,73.5 118,74.75 118,76.25 120.15,76.25
/Motor 3 (TMC2208)/BRA on Top: 124.75,72 124.75,74.5 124.2,74.5 123.25,73.55 123.25,72
/Motor 3 (TMC2208)/BRA on Top: 127.3,72.89 127.3,74.3 125.8,74.3 125.8,72.89
/Motor 3 (TMC2208)/BRA on In1.Cu: 127.3,75.14 123.2,75.14 123.2,73.05 127.3,73.05
/Motor 3 (TMC2208)/BRB on Top: 120.25,72 120.25,74.5 120.8,74.5 121.75,73.55 121.75,72
/Motor 3 (TMC2208)/BRB on Top: 119.2,73 119.2,74.39 117.7,74.39 117.7,73
/Motor 3 (TMC2208)/BRB on In1.Cu: 121.8,75.14 117.7,75.14 117.7,73.05 121.8,73.05
VMB on Top: 96.35,68.6 96.35,66.12 91.05,66.12 91.05,68.6
VMB on Top: 100.55,61.05 102.05,61.05 102.05,62.35 100.55,62.35
VMB on Top: 89.95,68.6 89.95,66.12 84.65,66.12 84.65,68.6
VMB on Top: 112.95,61.05 114.45,61.05 114.45,62.5 112.95,62.5
VMB on Top: 113.35,68.6 113.35,66.12 108.05,66.12 108.05,68.6
VMB on Top: 83.55,61.05 85.05,61.05 85.05,62.35 83.55,62.35
VMB on Top: 106.95,68.6 106.95,66.12 101.65,66.12 101.65,68.6
VMB on Top: 63.75,48 63.75,36.25 83.75,36.25 83.75,48
VMB on Top: 95.95,61.05 97.45,61.05 97.45,62.5 95.95,62.5
VMB on Bottom: 59.5,80 59.5,43 66.5,43 71.5,48 76,48 81,43 83.3,43 95.7,55.4 110.9,55.4 115.5,60 115.5,80
VMB on In1.Cu: 84,68 84,66 85.5,64.5 85.5,57.5 87.5,55.5 93.5,55.5 94,56 94,63 97,66 97,68
VMB on In1.Cu: 101,68.3 101,66 102.5,64.5 102.5,57.25 104.25,55.5 109.8,55.5 111,56.7 111,63 114,66 114,68.3
VMC on Bottom: 17,80 17,43 32.5,43 37.5,48 42,48 47,43 59.5,43 59.5,80
VMC on In1.Cu: 54,36.25 54,43.35 49.2,48.15 47.2,48.15 38.5,39.5 38.5,36.25
Net-(J9-Pin_4) on Top: 64,30 64,37.5 34,37.5 31,40.5 10,40.5 10,30
Net-(J9-Pin_4) on Bottom: 81.5,49 81.5,43.5 68.5,30.5 12.5,30.5 10,33 10,41.5 17.5,49
Net-(J17-Pin_2) on Top: 39.62,3.5 36.62,3.5 36.62,10.2 39.62,10.2
Net-(J18-Pin_2) on Top: 32,3.5 29,3.5 29,10.2 32,10.2
Net-(J19-Pin_2) on Top: 47.25,3.5 44.25,3.5 44.25,10.2 47.25,10.2
Net-(J20-Pin_2) on Top: 54.86,3.5 51.86,3.5 51.86,10.2 54.86,10.2
Net-(Q11B-S) on Top: 42,19 42,23.5 40.5,25 35,25 35,22.5 35.8,21.7 37,21.7 37,19
Net-(QA1-S2-Pad5) on Top: 109.2,69.45 107.6,69.45 107.6,72.6 109.2,72.6
Net-(QA1-S2-Pad5) on Top: 112.2,69.7 113.95,69.7 113.95,70.1 115.05,70.1 115.05,71.1 113.55,72.6 112.2,72.6
Net-(QA1-S2-Pad5) on In1.Cu: 113.55,72.6 114.65,71.5 114.65,70.08 113.9,70.08 113.9,68.3 107.6,68.3 107.6,72.6
Net-(QA2-S2-Pad5) on Top: 95.2,69.7 96.95,69.7 96.95,70.1 98.05,70.1 98.05,71.92 95.2,71.92
Net-(QA2-S2-Pad5) on Top: 90.6,69.3 92.2,69.3 92.2,71.92 90.6,71.92
Net-(QA2-S2-Pad5) on In1.Cu: 97.8,72.95 97.8,70.08 96.9,70.08 96.9,67.65 90.6,67.65 90.6,72.95
Net-(QB1-S2-Pad5) on Top: 102.8,69.7 101.05,69.7 101.05,70.1 99.95,70.1 99.95,71.1 101.45,72.6 102.8,72.6
Net-(QB1-S2-Pad5) on Top: 105.8,69.45 107.4,69.45 107.4,72.6 105.8,72.6
Net-(QB1-S2-Pad5) on In1.Cu: 107.4,72.6 107.4,68.3 101.1,68.3 101.1,70.07 100.35,70.07 100.35,71.5 101.45,72.6
Net-(QB2-S2-Pad5) on Top: 85.8,69.7 84.05,69.7 84.05,70.1 82.95,70.1 82.95,71.92 85.8,71.92
Net-(QB2-S2-Pad5) on Top: 88.8,69.3 90.4,69.3 90.4,71.92 88.8,71.92
Net-(QB2-S2-Pad5) on In1.Cu: 90.4,72.95 90.4,67.65 84.1,67.65 84.1,70.07 83.2,70.08 83.2,72.95

Small or netless copper shapes (teardrops, artwork), in the pictures only: 1 on Top

## Text on the board
F.Silkscreen: Bed | UART | weapons / of mass / production | 5V | G | 2 | 1 | 12 | 24 | 4 | 3 | + AUX POWER - | + MAIN POWER - | 0 | HEATERS | 5 | 22 | 20 | 10 | THERM | FANS | VMC | VMB
